# Altium PCB controller_V1.0.PcbDoc (part 4 of 8) (continued)
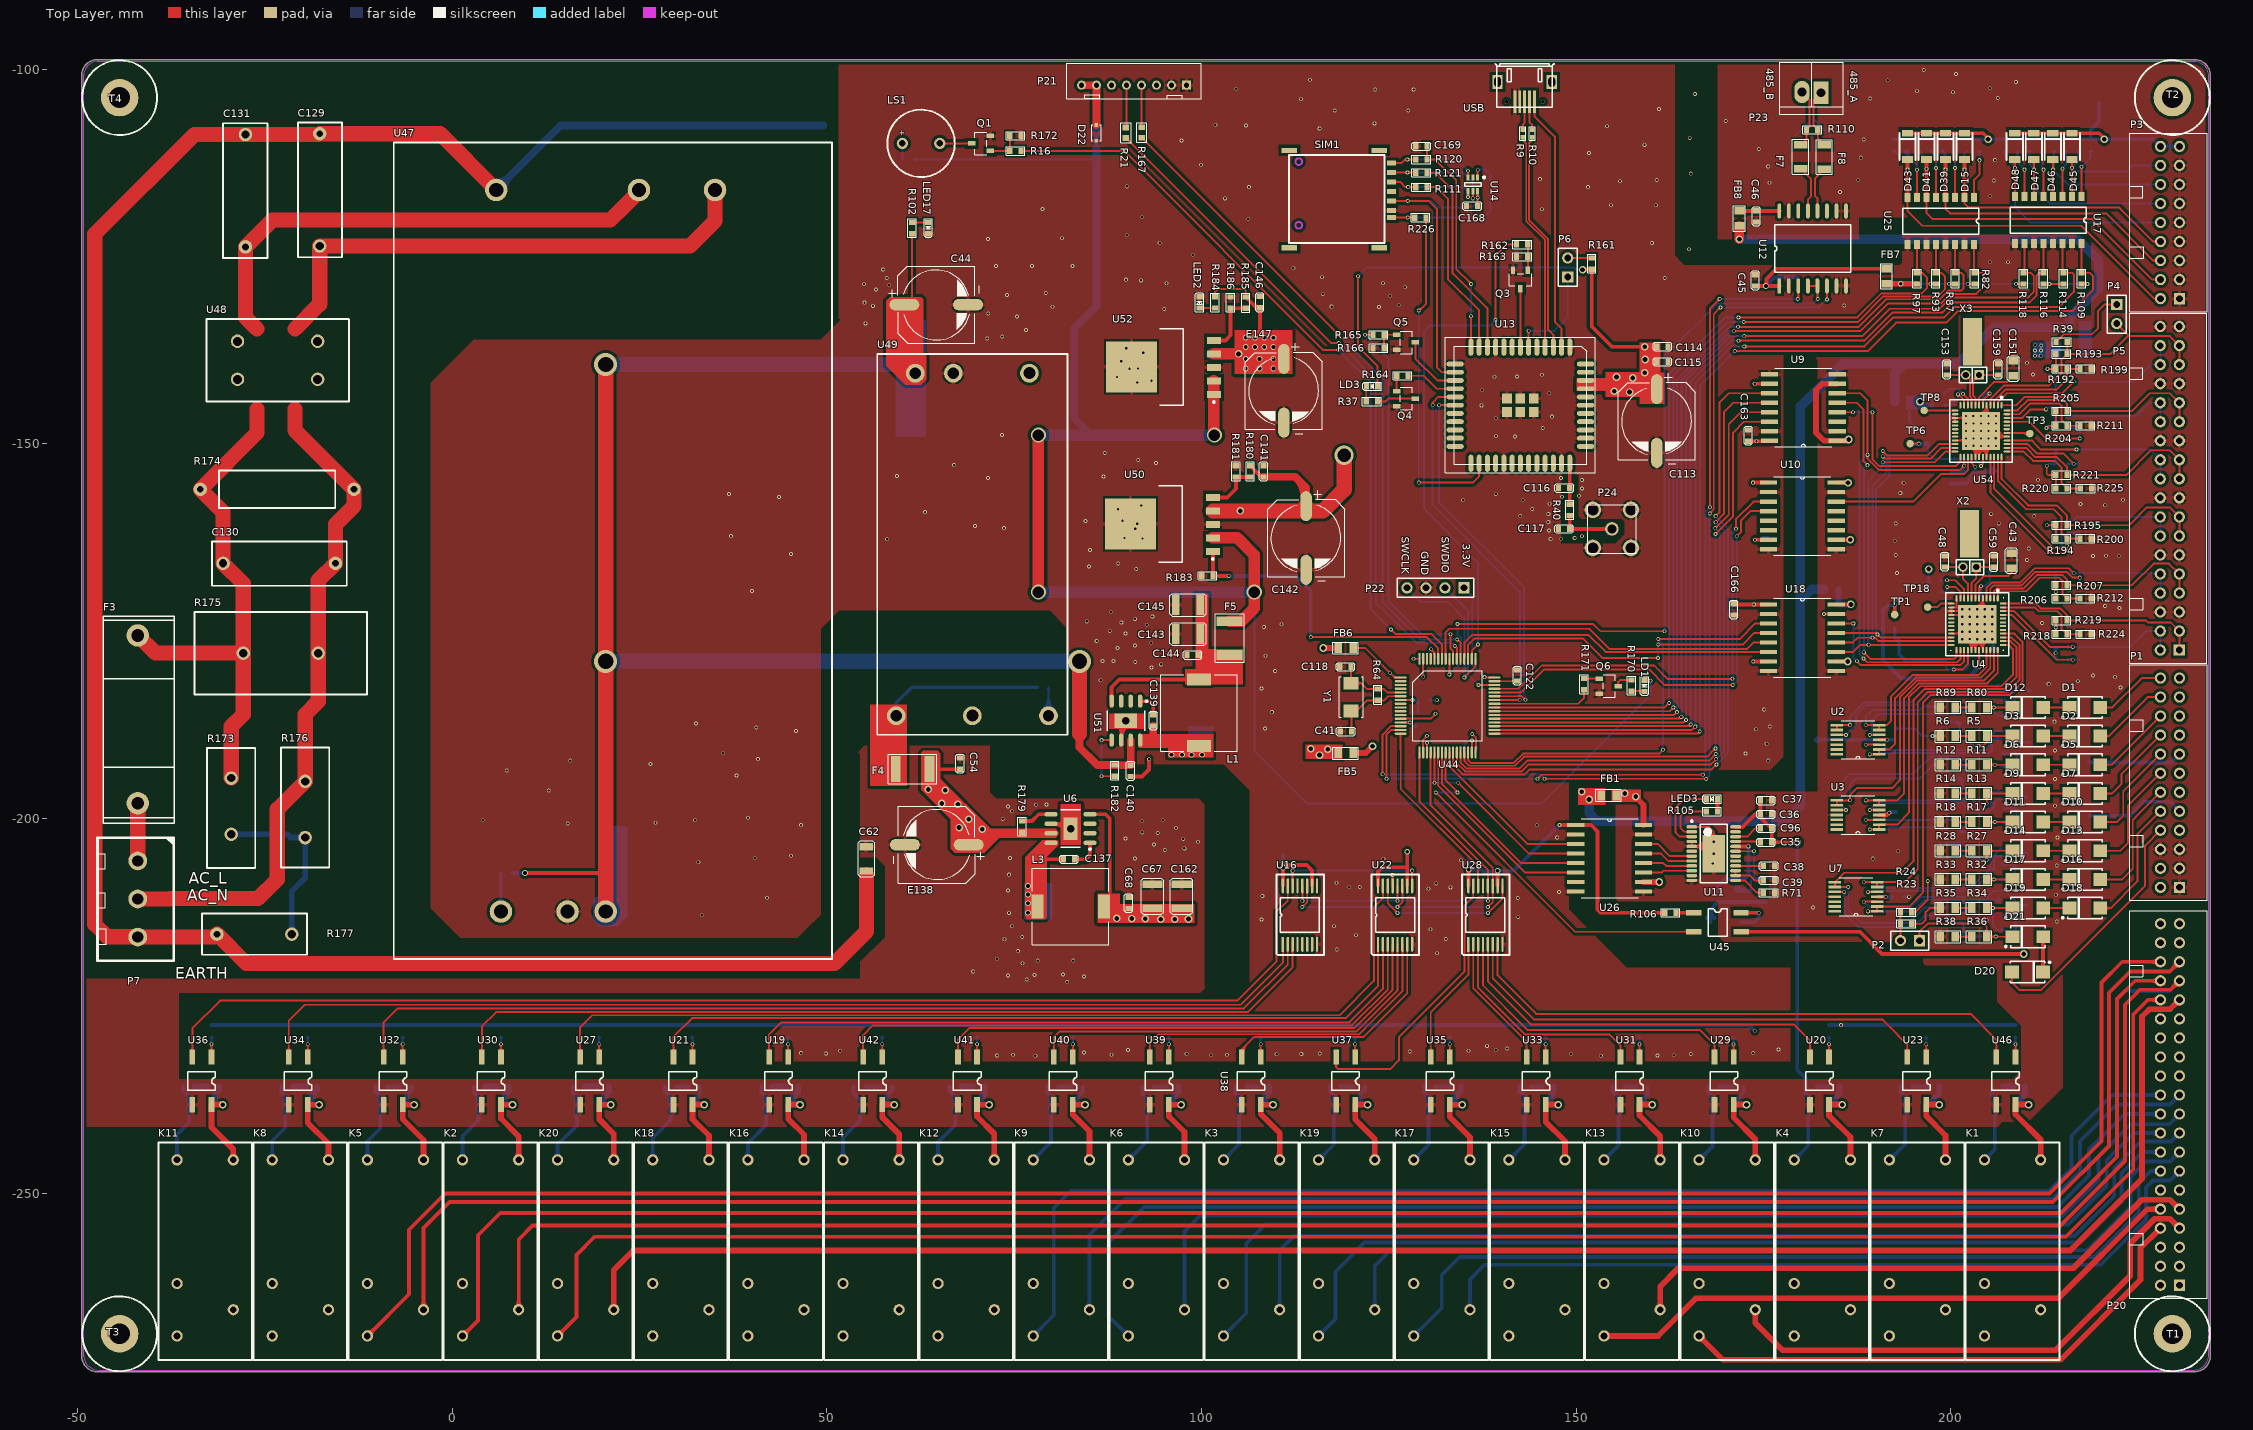
[diagram p0: Top Layer view]
## Nets (pads, with @x,y where several pads share a name; then routed paths per layer and width w, separated by ;. In a path a pad name is that pad's centre, name@x,y a point inside that pad or via, vN(x,y) a via of type N, cw(c..) or ccw(c..) an arc to the next point about the centre after c; other vN are vias at no path point) (continued)
  Bottom Layer w0.762: C98.1@147.017,-235.788 147.017,-236.574 146.608,-236.983 D59.1@146.608,-238.201 v2(147.629,-238.201)
DO_6: C102.1 D61.1 K17.5 U35.4 | length 16.7
  Top Layer w0.762: U35.4@133.147,-238.176 133.147,-239.853 135.832,-242.538 K17.5@135.832,-245.567 ; U35.4@133.173,-238.201 v2(134.822,-238.201) ; K17.5@135.571,-245.306 ccw(c134.942,-244.676) 135.832,-244.676 ccw(c136.723,-244.676) K17.5@136.093,-245.306
  Bottom Layer w0.762: D61.1@133.87,-237.901 cw(c135.628,-237.901) 134.385,-236.658 ; C102.1@134.591,-235.788 134.591,-236.452 133.801,-237.242 D61.1@133.801,-238.201 v2(134.822,-238.201)
DO_7: C104.1 D63.1 K19.5 U37.4 | length 16.8
  Top Layer w0.762: v2@122.148,-238.176 U37.4@120.511,-238.176 120.511,-240.145 123.135,-242.769 K19.5@123.135,-245.567 ; K19.5@122.874,-245.306 ccw(c122.244,-244.676) 123.135,-244.676 ccw(c124.026,-244.676) K19.5@123.396,-245.306
  Bottom Layer w0.508: D63.1@121.013,-237.763 ccw(c120.679,-237.428) 121.152,-237.428 ccw(c121.625,-237.428) D63.1@121.29,-237.763 ; D63.1@121.152,-238.201 121.152,-236.861 121.815,-236.198 C104.1@121.815,-235.788 ; 121.414,-236.599 ccw(c120.678,-235.863) C104.1@121.719,-235.863
  Bottom Layer w0.762: D63.1@121.152,-238.201 v2(122.173,-238.201)
DO_8: C106.1 D64.1 K3.5 U38.4 | length 15.1
  Top Layer w0.762: U38.4@107.901,-238.176 107.901,-239.448 110.437,-241.984 K3.5@110.437,-245.567 ; U38.4@107.926,-238.201 v2(109.549,-238.201) ; K3.5@110.176,-245.306 ccw(c109.546,-244.676) 110.437,-244.676 ccw(c111.328,-244.676) K3.5@110.698,-245.306
  Bottom Layer w0.762: C106.1@109.064,-235.788 109.064,-236.503 108.528,-237.039 D64.1@108.528,-238.201 v2(109.549,-238.201)
DO_9: C107.1 D65.1 K6.5 U39.4 | length 15
  Top Layer w0.762: U39.4@95.646,-238.176 95.646,-239.766 97.739,-241.859 K6.5@97.739,-245.567 ; U39.4@95.671,-238.201 v2(97.281,-238.201) ; K6.5@97.478,-245.306 ccw(c96.848,-244.676) 97.739,-244.676 ccw(c98.63,-244.676) K6.5@98,-245.306
  Bottom Layer w0.762: C107.1@96.923,-235.788 96.923,-236.503 96.26,-237.166 D65.1@96.26,-238.201 v2(97.281,-238.201)
DO_10: C109.1 D66.1 K9.5 U40.4 | length 17
  Top Layer w0.762: U40.4@82.832,-238.176 82.832,-239.55 85.042,-241.76 K9.5@85.042,-245.567 ; U40.4@82.858,-238.201 v2(84.454,-238.201) ; K9.5@84.781,-245.306 ccw(c84.151,-244.676) 85.042,-244.676 ccw(c85.932,-244.676) K9.5@85.302,-245.306
  Bottom Layer w0.508: D66.1@83.294,-237.763 ccw(c82.96,-237.428) 83.433,-237.428 ccw(c83.906,-237.428) D66.1@83.571,-237.763 ; D66.1@83.433,-238.201 83.433,-237.191 84.223,-236.401 C109.1@84.223,-235.788 ; 83.702,-236.922 ccw(c82.675,-235.896) C109.1@84.127,-235.865
  Bottom Layer w0.762: D66.1@83.433,-238.201 v2(84.454,-238.201)
DO_11: C110.1 D67.1 K12.5 U41.4 | length 16.2
  Top Layer w0.762: U41.4@70.044,-238.176 70.044,-239.792 72.344,-242.092 K12.5@72.344,-245.567 ; U41.4@70.07,-238.201 v2(71.652,-238.201) ; K12.5@72.083,-245.306 ccw(c71.453,-244.676) 72.344,-244.676 ccw(c73.235,-244.676) K12.5@72.605,-245.306
  Bottom Layer w0.762: D67.1@70.699,-237.887 cw(c71.932,-237.623) 71.04,-236.732 ; C110.1@71.04,-235.788 71.04,-236.732 ; v2(71.652,-238.201) D67.1@70.631,-238.201 70.631,-237.141 71.04,-236.732
DO_12: C111.1 D68.1 K14.5 U42.4 | length 16.7
  Top Layer w0.762: v2@58.952,-238.176 U42.4@57.383,-238.176 57.383,-239.882 59.646,-242.145 K14.5@59.646,-245.567 ; K14.5@59.385,-245.306 ccw(c58.755,-244.676) 59.646,-244.676 ccw(c60.537,-244.676) K14.5@59.907,-245.306
  Bottom Layer w0.508: D68.1@57.818,-237.763 ccw(c57.483,-237.428) 57.957,-237.428 ccw(c58.43,-237.428) D68.1@58.095,-237.763 ; D68.1@57.957,-238.201 57.957,-237.039 58.747,-236.249 C111.1@58.747,-235.788 ; 58.31,-236.686 ccw(c57.487,-235.863) C111.1@58.651,-235.863
  Bottom Layer w0.762: D68.1@57.957,-238.201 v2(58.978,-238.201)
DO_13: C87.1 D50.1 K16.5 U19.4 | length 16.3
  Top Layer w0.762: v2@46.381,-238.176 U19.4@44.825,-238.176 44.825,-240.075 46.948,-242.198 K16.5@46.948,-245.567 ; K16.5@46.687,-245.306 ccw(c46.058,-244.676) 46.948,-244.676 ccw(c47.839,-244.676) K16.5@47.209,-245.306
  Bottom Layer w0.762: D50.1@45.455,-237.901 cw(c47.156,-237.901) 45.953,-236.698 ; C87.1@46.176,-235.788 46.176,-236.476 45.386,-237.266 D50.1@45.386,-238.201 v2(46.407,-238.201)
DO_14: C89.1 D77.1 K18.5 U21.4 | length 15.6
  Top Layer w0.762: v2(33.629,-238.201) 33.603,-238.176 U21.4@32.061,-238.176 32.061,-240.137 34.251,-242.327 K18.5@34.251,-245.567 ; K18.5@33.99,-245.306 ccw(c33.36,-244.676) 34.251,-244.676 ccw(c35.141,-244.676) K18.5@34.512,-245.306
  Bottom Layer w0.508: D77.1@32.469,-237.763 ccw(c32.134,-237.428) 32.607,-237.428 ccw(c33.081,-237.428) D77.1@32.746,-237.763 ; D77.1@32.607,-238.201 32.607,-237.191 33.016,-236.782 C89.1@33.016,-235.788
  Bottom Layer w0.762: D77.1@32.607,-238.201 v2(33.629,-238.201)
DO_15: C92.1 D54.1 K20.5 U27.4 | length 16.2
  Top Layer w0.762: U27.4@19.603,-238.176 19.603,-240.151 21.553,-242.101 K20.5@21.553,-245.567 ; U27.4@19.628,-238.201 v2(21.157,-238.201) ; K20.5@21.292,-245.306 ccw(c20.662,-244.676) 21.553,-244.676 ccw(c22.444,-244.676) K20.5@21.814,-245.306
  Bottom Layer w0.762: D54.1@20.205,-237.901 cw(c21.901,-237.901) 20.702,-236.702 ; C92.1@20.926,-235.788 20.926,-236.478 20.136,-237.268 D54.1@20.136,-238.201 v2(21.157,-238.201)
DO_16: C94.1 D56.1 K2.5 U30.4 | length 14.9
  Top Layer w0.762: U30.4@6.484,-238.176 6.484,-240.062 8.855,-242.434 K2.5@8.855,-245.567 ; U30.4@6.509,-238.201 v2(8.025,-238.201) ; K2.5@8.594,-245.306 ccw(c7.964,-244.676) 8.855,-244.676 ccw(c9.746,-244.676) K2.5@9.116,-245.306
  Bottom Layer w0.762: C94.1@7.54,-235.788 7.54,-236.427 7.004,-236.963 D56.1@7.004,-238.201 v2(8.025,-238.201)
DO_17: C97.1 D58.1 K5.5 U32.4 | length 16.9
  Top Layer w0.762: U32.4@-6.632,-238.176 -6.632,-240.129 -3.843,-242.918 K5.5@-3.843,-245.567 ; U32.4@-6.607,-238.201 v2(-5.104,-238.201) ; K5.5@-4.103,-245.306 ccw(c-4.733,-244.676) -3.843,-244.676 ccw(c-2.952,-244.676) K5.5@-3.582,-245.306
  Bottom Layer w0.508: D58.1@-6.264,-237.763 ccw(c-6.599,-237.428) -6.126,-237.428 ccw(c-5.652,-237.428) D58.1@-5.987,-237.763 ; D58.1@-6.126,-238.201 -6.126,-237.037 -5.463,-236.374 C97.1@-5.463,-235.788 ; -5.87,-236.782 ccw(c-6.644,-236.008) C97.1@-5.558,-235.875
  Bottom Layer w0.762: D58.1@-6.126,-238.201 v2(-5.104,-238.201)
DO_18: C101.1 D60.1 K8.5 U34.4 | length 15.2
  Top Layer w0.762: U34.4@-19.296,-238.176 -19.296,-240.648 -16.54,-243.403 K8.5@-16.54,-245.567 ; U34.4@-19.27,-238.201 v2(-17.781,-238.201) ; K8.5@-16.801,-245.306 ccw(c-17.431,-244.676) -16.54,-244.676 ccw(c-15.649,-244.676) K8.5@-16.279,-245.306
  Bottom Layer w0.762: C101.1@-18.012,-235.788 -18.012,-236.147 -18.802,-236.937 D60.1@-18.802,-238.201 v2(-17.781,-238.201)
DO_19: C103.1 D62.1 K11.5 U36.4 | length 15.2
  Top Layer w0.762: v2(-30.658,-238.201) -30.683,-238.176 U36.4@-32.159,-238.176 -32.159,-241.221 -29.238,-244.142 K11.5@-29.238,-245.567 ; K11.5@-29.499,-245.306 ccw(c-30.129,-244.676) -29.238,-244.676 ccw(c-28.347,-244.676) K11.5@-28.977,-245.306
  Bottom Layer w0.762: C103.1@-31.143,-235.788 -31.143,-236.324 -31.679,-236.86 D62.1@-31.679,-238.201 v2(-30.658,-238.201)
DO_CTRL_0: U28.7 U46.2 | length 77.7
  Top Layer w0.254: U28.7@139.533,-216.662 139.533,-220.94 144.678,-226.085 202.692,-226.085 206.109,-229.502 U46.2@206.109,-231.851 ; U46.2@205.929,-231.037 ccw(c205.495,-230.603) 206.109,-230.603 ccw(c206.722,-230.603) U46.2@206.288,-231.037
DO_CTRL_1: U23.2 U28.6 | length 69.1
  Top Layer w0.254: U28.6@138.883,-216.662 138.883,-221.357 144.348,-226.822 190.856,-226.822 191.922,-227.889 ; 193.904,-229.87 191.922,-227.889 ; U23.2@194.026,-231.037 ccw(c193.592,-230.603) 194.205,-230.603 ccw(c194.819,-230.603) U23.2@194.385,-231.037 ; U23.2@194.205,-231.851 194.205,-230.172 191.922,-227.889
DO_CTRL_2: U20.2 U28.5 | length 54.5
  Top Layer w0.254: U28.5@138.233,-216.662 138.233,-221.723 144.018,-227.508 179.095,-227.508 181.239,-229.651 U20.2@181.239,-231.851 ; U20.2@181.059,-231.037 ccw(c180.626,-230.603) 181.239,-230.603 ccw(c181.852,-230.603) U20.2@181.418,-231.037
DO_CTRL_3: U28.4 U29.2 | length 42.4
  Top Layer w0.254: U28.4@137.583,-216.662 137.583,-222.292 143.51,-228.219 166.522,-228.219 168.491,-230.188 U29.2@168.491,-231.851 ; U29.2@168.312,-231.037 ccw(c167.878,-230.603) 168.491,-230.603 ccw(c169.104,-230.603) U29.2@168.671,-231.037
DO_CTRL_4: U28.3 U31.2 | length 30.6
  Top Layer w0.254: U28.3@136.933,-216.662 136.933,-222.582 143.18,-228.829 154.457,-228.829 155.93,-230.301 U31.2@155.93,-231.851 ; U31.2@155.75,-231.037 ccw(c155.316,-230.603) 155.93,-230.603 ccw(c156.543,-230.603) U31.2@156.109,-231.037
DO_CTRL_5: U28.2 U33.2 | length 19.1
  Top Layer w0.254: U28.2@136.283,-216.662 136.283,-222.669 143.401,-229.786 U33.2@143.401,-231.851 ; U33.2@143.221,-231.037 ccw(c142.787,-230.603) 143.401,-230.603 ccw(c144.014,-230.603) U33.2@143.58,-231.037
DO_CTRL_6: U28.1 U35.2 | length 18.2
  Top Layer w0.254: U35.2@130.428,-231.037 ccw(c129.994,-230.603) 130.607,-230.603 ccw(c131.22,-230.603) U35.2@130.787,-231.037 ; U35.2@130.607,-231.851 130.607,-225.856 135.633,-220.83 U28.1@135.633,-216.789 U28.1@135.633,-216.662
DO_CTRL_7: U28.15 U37.2 | length 38.7
  Top Layer w0.254: U37.2@117.792,-232.666 cw(c117.358,-233.099) 117.971,-233.099 cw(c118.585,-233.099) U37.2@118.151,-232.666 ; U37.2@117.971,-231.851 117.971,-233.186 118.237,-233.451 125.171,-233.451 126.34,-232.283 126.34,-229.184 135.128,-220.396 135.128,-211.607 136.283,-210.452 U28.15@136.283,-208.989
DO_CTRL_8: U22.7 U38.2 | length 35.1
  Top Layer w0.254: U38.2@105.262,-230.982 ccw(c105.2,-230.833) 105.361,-230.833 ; U38.2@105.361,-231.851 105.361,-230.833 ; U38.2@105.361,-231.216 cw(c106.285,-231.216) 105.632,-230.563 ; U38.2@105.46,-230.982 cw(c105.522,-230.833) 105.361,-230.833 ; U38.2@105.615,-231.216 cw(c107.152,-231.216) 106.065,-230.129 ; U22.7@127.468,-216.789 127.468,-223.306 121.59,-229.184 117.196,-229.184 107.01,-229.184 105.361,-230.833
DO_CTRL_9: U22.6 U39.2 | length 45.7
  Top Layer w0.254: U39.2@92.926,-231.037 ccw(c92.493,-230.603) 93.106,-230.603 ccw(c93.719,-230.603) U39.2@93.286,-231.037 ; U39.2@93.106,-231.851 93.106,-229.906 94.209,-228.803 121.056,-228.803 121.768,-228.092 121.895,-227.965 126.818,-223.041 U22.6@126.818,-216.789
DO_CTRL_10: U22.5 U40.2 | length 58.2
  Top Layer w0.254: U40.2@80.113,-231.037 ccw(c79.679,-230.603) 80.292,-230.603 ccw(c80.906,-230.603) U40.2@80.472,-231.037 ; U40.2@80.292,-231.851 80.292,-229.232 81.102,-228.422 120.701,-228.422 121.539,-227.584 121.657,-227.466 126.168,-222.955 U22.5@126.168,-216.789
DO_CTRL_11: U22.4 U41.2 | length 70.2
  Top Layer w0.254: U41.2@67.325,-231.037 ccw(c66.891,-230.603) 67.504,-230.603 ccw(c68.117,-230.603) U41.2@67.684,-231.037 ; U41.2@67.504,-231.851 67.504,-229.489 69.003,-227.99 120.396,-227.99 125.518,-222.868 U22.4@125.518,-216.789
DO_CTRL_12: U22.3 U42.2 | length 82.5
  Top Layer w0.254: U42.2@54.663,-231.037 ccw(c54.23,-230.603) 54.843,-230.603 ccw(c55.456,-230.603) U42.2@55.023,-231.037 ; U42.2@54.843,-231.851 54.843,-228.905 56.138,-227.609 120.091,-227.609 124.868,-222.832 U22.3@124.868,-216.789
DO_CTRL_13: U19.2 U22.2 | length 94.4
  Top Layer w0.254: U19.2@42.106,-231.037 ccw(c41.672,-230.603) 42.285,-230.603 ccw(c42.899,-230.603) U19.2@42.465,-231.037 ; U19.2@42.285,-231.851 42.285,-228.829 43.886,-227.228 119.736,-227.228 124.218,-222.746 U22.2@124.218,-216.789
DO_CTRL_14: U21.2 U22.1 | length 106.1
  Top Layer w0.254: U21.2@29.341,-231.037 ccw(c28.907,-230.603) 29.521,-230.603 ccw(c30.134,-230.603) U21.2@29.7,-231.037 ; U21.2@29.521,-231.851 29.521,-229.133 32.01,-226.644 119.253,-226.644 123.568,-222.329 U22.1@123.568,-216.789
DO_CTRL_15: U22.15 U27.2 | length 126.7
  Top Layer w0.254: U27.2@16.883,-231.037 ccw(c16.449,-230.603) 17.063,-230.603 ccw(c17.676,-230.603) U27.2@17.242,-231.037 ; U27.2@17.063,-231.851 17.063,-229.083 17.063,-227.863 18.663,-226.263 118.44,-226.263 123.012,-221.691 123.012,-211.836 124.218,-210.63 U22.15@124.218,-208.989
DO_CTRL_16: U16.3 U30.2 | length 120
  Top Layer w0.254: U30.2@3.764,-231.037 ccw(c3.331,-230.603) 3.944,-230.603 ccw(c4.557,-230.603) U30.2@4.124,-231.037 ; U30.2@3.944,-231.851 3.944,-227.736 5.849,-225.831 106.172,-225.831 112.168,-219.835 U16.3@112.168,-216.789 U16.3@112.168,-216.408
DO_CTRL_17: U16.2 U32.2 | length 132.6
  Top Layer w0.254: U32.2@-9.352,-231.037 ccw(c-9.786,-230.603) -9.172,-230.603 ccw(c-8.559,-230.603) U32.2@-8.993,-231.037 ; U32.2@-9.172,-231.851 -9.172,-227.206 -7.315,-225.349 105.664,-225.349 111.518,-219.494 U16.2@111.518,-216.789 U16.2@111.518,-216.408
DO_CTRL_18: U16.1 U34.2 | length 144.5
  Top Layer w0.254: U34.2@-22.015,-231.037 ccw(c-22.449,-230.603) -21.836,-230.603 ccw(c-21.222,-230.603) U34.2@-21.656,-231.037 ; U34.2@-21.836,-231.851 -21.836,-227.017 -19.685,-224.866 105.232,-224.866 110.868,-219.23 U16.1@110.868,-216.789 U16.1@110.868,-216.408
DO_CTRL_19: U16.15 U36.2 | length 163.9
  Top Layer w0.254: U36.2@-34.879,-231.037 ccw(c-35.312,-230.603) -34.699,-230.603 ccw(c-34.086,-230.603) U36.2@-34.519,-231.037 ; U36.2@-34.699,-231.851 -34.699,-228.018 -30.988,-224.307 104.8,-224.307 110.012,-219.096 110.012,-212.467 111.518,-210.96 U16.15@111.518,-208.989
DOUT: U4.24 U18.11 U54.24 | length 54.9
  Top Layer w0.254: U18.11@184.732,-177.775 186.969,-177.775 187.928,-176.816 v1(189.052,-176.816) 190.449,-176.816 ; U18.11@185.716,-177.882 cw(c185.976,-178.143) 185.976,-177.775 cw(c185.976,-177.407) U18.11@185.716,-177.667 ; v1@188.962,-176.906 ccw(c188.746,-177.123) 188.746,-176.816 ccw(c188.746,-176.51) v1@188.962,-176.726 ; v1@189.142,-176.906 cw(c189.359,-177.123) 189.359,-176.816 cw(c189.359,-176.51) v1@189.142,-176.726 ; 189.985,-176.816 190.449,-176.816 ; v1(190.932,-152.451) 197.898,-152.451 199.314,-151.035 U54.24@200.603,-151.035 ; v1@191.022,-152.541 cw(c191.238,-152.757) 191.238,-152.451 cw(c191.238,-152.144) v1@191.022,-152.361 ; 196.628,-176.816 196.926,-176.816 ; U4.24@200.095,-176.816 196.926,-176.816 ; 190.449,-176.816 196.926,-176.816
  Bottom Layer w0.254: v1@188.962,-176.726 ccw(c188.746,-176.51) 189.052,-176.51 ccw(c189.359,-176.51) v1@189.142,-176.726 ; v1(189.052,-176.816) 189.052,-154.864 190.932,-152.984 v1(190.932,-152.451) ; v1@190.842,-152.541 cw(c190.625,-152.757) 190.932,-152.757 cw(c191.238,-152.757) v1@191.022,-152.541
DOUT_AO: U11.10 U26.11 | length 7.5
  Top Layer w0.254: U26.11@159.001,-207.213 161.417,-207.213 161.657,-206.974 U11.10@165.449,-206.974 ; U26.11@159.985,-207.321 cw(c160.246,-207.581) 160.246,-207.213 cw(c160.246,-206.845) U26.11@159.985,-207.105 ; U11.10@164.88,-207.043 ccw(c164.712,-207.21) 164.712,-206.974 ccw(c164.712,-206.737) U11.10@164.88,-206.904
DP: R9.2 U13.4 | length 32.1
  Top Layer w0.254: R9.2@142.798,-109.067 ccw(c143.164,-109.191) 142.891,-109.465 ; R9.2@142.875,-109.093 142.875,-109.449 ; R9.2@143.039,-109.149 ccw(c143.595,-109.338) 143.18,-109.753 ; U13.4@145.728,-136.116 ccw(c145.39,-135.778) 145.868,-135.778 ccw(c146.346,-135.778) U13.4@146.008,-136.116 ; U13.4@145.868,-137.081 145.868,-122.779 143.358,-120.269 143.358,-109.931 142.875,-109.449 ; 142.875,-109.449 ccw(c142.596,-109.449) 142.768,-109.229 cw(c142.596,-109.449) 142.875,-109.449 ; 142.875,-109.449 cw(c143.154,-109.449) 142.982,-109.229 ccw(c143.154,-109.449) 142.875,-109.449
GND: C41.1 C42.2 C44.2 C45.1 C57.2 C73.2 C113.2 C114.1 C115.1 C116.2 C117.2 C118.1 C119.1 C120.1 C122.1 C123.1 C124.1 C125.1 C126.1 C127.1 C128.1 C132.1 C134.1 C135.1 C136.1 C140.1 C141.1 C142.2 C143.2 C144.2 C145.2 C146.1 C147.1 C161.1 C163.1 C166.1 C168.1 C169.2 D22.1 D26.1 D69.1 D70.1 D71.1 E147.2 LED2.2 LED17.2 P21.1 P21.2 P22.3 P24.2 P24.3 P24.4 P24.5 Q1.2 Q3.2 Q4.2 Q5.2 Q6.2 R22.2 R76.2 R163.1 R166.1 R172.2 R181.1 R183.1 R186.1 SIM1.5 U9.9 U9.15 U10.2 U10.8 U12.2 U12.7 U12.8 U13.1 U13.10 U13.27 U13.34 U13.36 U13.37 U13.40 U13.41 U13.89 U13.90 U13.91 U13.92 U13.93 U13.94 U13.95 U14.2 U16.8 U16.13 U17.9 U17.11 U17.13 U17.15 U18.2 U18.8 U22.8 U22.13 U25.9 U25.11 U25.13 U25.15 U26.2 U26.8 U28.8 U28.13 U44.12 U44.18 U44.63 U47.5 U49.2 U50.3 U50.6 U51.6 U51.9 U52.3 U52.6 USB.4 USB.5 | length 27.1
  Top Layer w0.254: U51.9@89.278,-187.573 v7(89.913,-186.938) ; v1@125.429,-207.641 cw(c125.212,-207.857) 125.518,-207.857 cw(c125.825,-207.857) v1@125.608,-207.641 ; U22.13@125.518,-208.989 v1(125.518,-207.551) ; U44.12@126.591,-186.678 126.599,-186.67 128.003,-186.67 128.011,-186.678 130.593,-186.678 v1(131.242,-186.03) ; v1@129.501,-180.987 ccw(c129.284,-180.77) 129.591,-180.77 ccw(c129.898,-180.77) v1@129.681,-180.987 ; U44.18@129.591,-191.178 129.583,-191.17 129.583,-189.492 v1(130.112,-188.963) ; v1(129.591,-181.076) U44.63@129.591,-178.678 ; v1@129.984,-188.963 cw(c129.678,-188.963) 129.895,-189.18 cw(c130.112,-189.397) v1@130.112,-189.09 ; v1@131.115,-186.03 cw(c130.808,-186.03) 131.025,-186.246 cw(c131.242,-186.463) v1@131.242,-186.157
  Top Layer w0.508: U51.9@88.871,-187.43 cw(c87.888,-188.413) 89.278,-188.413 ; U51.6@89.278,-189.614 cw(c92.514,-189.614) U51.9@90.259,-187.294 ; U51.6@89.278,-189.538 U51.9@89.278,-187.573 ; U51.6@89.278,-188.824 cw(c91.249,-188.824) U51.9@89.856,-187.43 ; 89.278,-188.412 cw(c91.346,-188.412) U51.9@89.905,-186.93 ; C140.1@90.523,-194.386 92.075,-194.386 93.015,-193.446 v1(93.015,-192.1)
  other v1: 77.826,-231.673 153.314,-231.673 72.72,-231.623 160.858,-231.623 101.295,-231.597 163.043,-231.597 74.854,-231.546 87.986,-231.546 103.403,-231.546 110.033,-231.47 113.335,-231.445 165.303,-231.445 98.019,-231.394 149.352,-231.394 49.86,-231.369 115.799,-231.369 46.558,-231.318 173.66,-231.318 84.328,-231.242 127.813,-231.115 51.765,-231.013 135.636,-231.013 90.195,-230.911 139.294,-230.861 177.038,-230.835 140.818,-230.708 138.1,-230.353 131.445,-217.983 118.059,-217.5 132.613,-216.078 120.625,-215.595 130.581,-214.782 117.704,-214.376 108.001,-213.487 142.291,-213.131 33.299,-212.903 142.215,-210.617 42.012,-210.591 108.128,-210.337 147.726,-209.804 130.302,-209.372 133.248,-209.194 119.736,-209.169 121.133,-209.144 131.343,-208.661 118.034,-208.585 32.842,-205.842 134.643,-205.563 124.282,-205.384 40.361,-205.308 45.212,-204.978 147.472,-202.54 144.755,-200.914 46.533,-200.889 15.418,-200.66 27.127,-200.558 4.064,-200.228 32.41,-200.228 39.472,-199.898 12.878,-196.266 37.922,-194.259 7.264,-193.599 26.467,-192.735 15.748,-192.278 175.666,-192.278 40.792,-192.075 172.618,-191.313 36.17,-191.287 175.438,-190.017 45.872,-188.316 174.041,-188.087 108.483,-187.985 40.564,-187.858 175.844,-187.706 32.512,-187.325 109.398,-185.801 175.108,-185.445 108.026,-182.651 86.538,-181.534 109.83,-180.315 93.32,-179.857 94.615,-179.426 91.161,-179.121 86.792,-178.968 88.265,-178.968 108.56,-178.283 88.798,-177.241 91.135,-176.911 93.294,-176.53 86.004,-176.301 89.865,-175.311 87.757,-174.955 108.331,-174.447 92.685,-174.142 110.668,-174.066 89.306,-173.838 84.684,-173.685 91.11,-173.355 93.447,-173.025 87.884,-172.39 40.005,-169.647 91.288,-166.7 84.988,-166.37 88.9,-165.964 45.212,-164.694 85.115,-164.16 58.039,-162.712 146.609,-162.687 148.031,-162.662 92.126,-162.636 89.738,-162.56 149.809,-162.56 150.8,-162.331 37.211,-162.306 146.38,-161.544 91.161,-161.315 73.635,-161.239 69.774,-160.96 91.44,-160.655 146.304,-160.426 84.531,-160.299 89.459,-160.249 142.545,-159.639 146.304,-159.36 63.094,-159.106 88.849,-158.725 144.145,-158.674 91.948,-158.217 146.456,-157.988 134.925,-157.531 142.875,-157.531 43.612,-157.099 148.133,-157.048 150.393,-156.921 36.932,-156.693 139.268,-156.667 150.8,-155.956 150.774,-154.813 71.501,-154.559 147.98,-154.559 86.919,-154.356 59.36,-154.28 66.98,-152.832 93.929,-152.552 91.567,-152.146 87.097,-151.206 141.859,-148.996 139.319,-148.971 73.381,-148.819 145.542,-147.879 139.294,-146.583 146.787,-146.355 137.389,-144.856 146.431,-143.231 137.49,-142.824 91.44,-141.808 93.32,-141.58 88.722,-141.072 139.116,-141.021 142.113,-140.995 145.44,-140.767 90.394,-139.966 91.516,-139.929 89.306,-138.963 92.227,-137.846 89.967,-137.211 71.399,-135.915 73.406,-135.661 76.581,-134.798 55.143,-133.909 75.387,-132.994 71.526,-132.588 95.021,-131.978 123.698,-131.724 80.112,-131.699 117.373,-131.674 56.159,-131.572 185.801,-131.521 126.34,-131.496 55.016,-131.14 125.197,-130.226 74.041,-130.124 116.18,-129.972 79.223,-129.845 56.566,-129.388 127.152,-129.083 58.318,-128.829 54.966,-128.676 95.326,-128.549 124.231,-128.549 91.923,-128.168 89.916,-128.067 161.849,-127.864 57.988,-127.838 116.078,-127.762 57.506,-126.721 112.268,-126.543 72.568,-126.263 77.368,-126.263 82.779,-126.263 205.232,-125.755 207.67,-125.755 98.831,-124.739 160.122,-123.19 94.412,-123.139 71.501,-122.657 81.382,-122.555 90.018,-122.149 106.248,-119.939 92.024,-119.736 145.44,-118.669 78.791,-118.643 154.661,-118.135 160.655,-118.135 103.149,-117.221 106.35,-115.722 151.587,-115.722 90.018,-115.621 155.854,-114.935 160.782,-114.783 145.186,-114.656 99.924,-112.725 151.714,-111.176 159.131,-110.084 97.333,-109.499 115.773,-107.899 154.127,-107.594 105.943,-107.493 101.854,-107.391 123.088,-107.213 117.78,-105.486 127.61,-105.486 161.061,-105.283 113.284,-103.988 123.19,-102.692 128.321,-102.692 104.648,-102.591 114.478,-101.397
IN_RCK: U16.12 U22.12 U28.12 U44.17 | length 55.7
  Top Layer w0.254: v1@113.379,-210.886 ccw(c113.162,-210.67) 113.468,-210.67 ccw(c113.775,-210.67) v1@113.558,-210.886 ; v1(113.468,-210.976) U16.12@113.468,-208.989 ; v1@126.079,-210.886 ccw(c125.862,-210.67) 126.168,-210.67 ccw(c126.475,-210.67) v1@126.258,-210.886 ; v1(126.168,-210.976) U22.12@126.168,-208.989 ; U44.17@129.091,-191.178 129.091,-197.722 138.233,-206.864 U28.12@138.233,-208.989 v1(138.233,-210.976) ; v1@138.144,-210.886 ccw(c137.927,-210.67) 138.233,-210.67 ccw(c138.54,-210.67) v1@138.323,-210.886
  Bottom Layer w0.254: v1(113.468,-210.976) v1(126.168,-210.976) v1(138.233,-210.976) ; v1@113.558,-211.066 cw(c113.775,-211.283) 113.775,-210.976 cw(c113.775,-210.67) v1@113.558,-210.886 ; v1@126.079,-211.066 ccw(c125.862,-211.283) 125.862,-210.976 ccw(c125.862,-210.67) v1@126.079,-210.886 ; v1@126.258,-211.066 cw(c126.475,-211.283) 126.475,-210.976 cw(c126.475,-210.67) v1@126.258,-210.886 ; v1@138.144,-211.066 ccw(c137.927,-211.283) 137.927,-210.976 ccw(c137.927,-210.67) v1@138.144,-210.886
IN_SCK: U16.11 U22.11 U28.11 U44.20 | length 58.7
  Top Layer w0.254: v1(113.462,-211.811) 114.118,-211.154 U16.11@114.118,-208.989 ; v1@113.462,-211.684 ccw(c113.462,-211.377) 113.679,-211.594 ccw(c113.895,-211.811) v1@113.589,-211.811 ; v1(126.162,-211.811) 126.818,-211.154 U22.11@126.818,-208.989 ; v1@126.162,-211.684 ccw(c126.162,-211.377) 126.379,-211.594 ccw(c126.595,-211.811) v1@126.289,-211.811 ; U44.20@130.591,-191.178 130.583,-191.186 130.583,-195.441 130.591,-195.449 130.591,-196.055 130.583,-196.063 130.583,-198.249 138.883,-206.549 U28.11@138.883,-208.989 138.883,-211.154 v1(138.227,-211.811) ; v1@138.227,-211.684 ccw(c138.227,-211.377) 138.444,-211.594 ccw(c138.66,-211.811) v1@138.354,-211.811
  Bottom Layer w0.254: v1(113.462,-211.811) v1(126.162,-211.811) v1(138.227,-211.811) ; v1@113.552,-211.9 cw(c113.768,-212.117) 113.768,-211.811 cw(c113.768,-211.504) v1@113.552,-211.721 ; v1@126.072,-211.9 ccw(c125.855,-212.117) 125.855,-211.811 ccw(c125.855,-211.504) v1@126.072,-211.721 ; v1@126.252,-211.9 cw(c126.468,-212.117) 126.468,-211.811 cw(c126.468,-211.504) v1@126.252,-211.721 ; v1@138.137,-211.9 ccw(c137.92,-212.117) 137.92,-211.811 ccw(c137.92,-211.504) v1@138.137,-211.721
IN_SI: U28.14 U44.16 | length 25.7
  Top Layer w0.254: U44.16@126.591,-188.678 126.591,-190.777 126.594,-190.779 ; 126.594,-189.636 126.594,-190.779 ; U28.14@136.933,-208.989 136.933,-206.402 126.594,-196.063 126.594,-190.779
IO0: U44.24 U45.2 | length 54
  Top Layer w0.254: v1@131.267,-196.647 cw(c131.267,-196.953) 131.484,-196.737 cw(c131.701,-196.52) v1@131.394,-196.52 ; v1(131.267,-196.52) 149.86,-215.113 U45.2@165.707,-215.113 ; U44.24@132.591,-191.178 132.591,-194.897 134.201,-196.507 v1@134.214,-196.52 ; 133.953,-196.26 cw(c133.693,-196.52) v1@134.061,-196.52 ; 134.015,-196.321 ccw(c134.188,-196.148) v1@134.188,-196.393 ; U45.2@164.892,-215.292 ccw(c164.459,-215.726) 164.459,-215.113 ccw(c164.459,-214.499) U45.2@164.892,-214.933
  Bottom Layer w0.254: v1(131.267,-196.52) v1(134.188,-196.52) v1@134.214,-196.52 ; v1@131.357,-196.61 cw(c131.574,-196.826) 131.574,-196.52 cw(c131.574,-196.213) v1@131.357,-196.43 ; v1@134.098,-196.61 ccw(c133.882,-196.826) 133.882,-196.52 ccw(c133.882,-196.213) v1@134.098,-196.43
IOUT0: C112.2 D8.1 Q11.2 R72.2 | length 12.2
  Bottom Layer w0.508: D8.1@167.482,-213.299 ccw(c166.373,-212.118) 167.993,-212.118 ; D8.1@167.993,-213.843 167.993,-212.118 ; D8.1@168.504,-213.299 cw(c169.613,-212.118) 167.993,-212.118 ; C112.2@175.359,-211.176 175.327,-211.144 Q11.2@171.422,-211.144 168.967,-211.144 167.993,-212.118
LATCH_AO: U11.7 U26.14 | length 8.1
  Top Layer w0.254: U26.14@159.001,-203.403 160.884,-203.403 162.504,-205.024 U11.7@165.449,-205.024 ; U26.14@159.985,-203.511 cw(c160.246,-203.771) 160.246,-203.403 cw(c160.246,-203.035) U26.14@159.985,-203.295 ; U11.7@164.88,-205.093 ccw(c164.712,-205.26) 164.712,-205.024 ccw(c164.712,-204.787) U11.7@164.88,-204.954
LATCH_AO_MCU: U26.3 U44.25 | length 23.6
  Top Layer w0.254: U44.25@133.091,-191.178 133.091,-193.035 143.459,-203.403 U26.3@149.959,-203.403 ; U26.3@148.975,-203.511 ccw(c148.715,-203.771) 148.715,-203.403 ccw(c148.715,-203.035) U26.3@148.975,-203.295
LCD_RX: R167.1 U44.53 | length 92
  Top Layer w0.254: R167.1@92.024,-109.131 v1(118.3,-135.407) ; v1@118.173,-135.407 ccw(c117.867,-135.407) 118.084,-135.191 ccw(c118.3,-134.974) v1@118.3,-135.28 ; v1@134.137,-176.225 cw(c134.137,-176.532) 134.354,-176.315 cw(c134.571,-176.098) v1@134.264,-176.098 ; v1(134.137,-176.098) 134.591,-176.552 U44.53@134.591,-178.678
  Bottom Layer w0.254: v1@118.3,-135.534 cw(c118.3,-135.841) 118.517,-135.624 cw(c118.734,-135.407) v1@118.428,-135.407 ; v1(118.3,-135.407) 124.181,-141.287 124.181,-171.145 129.134,-176.098 133.883,-176.098 v1(134.137,-176.098) ; v1@134.048,-176.188 ccw(c133.831,-176.405) 133.831,-176.098 ccw(c133.831,-175.792) v1@134.048,-176.008